# Altium PCB KlusterLab r2.0.PcbDoc (part 2 of 22) (continued)
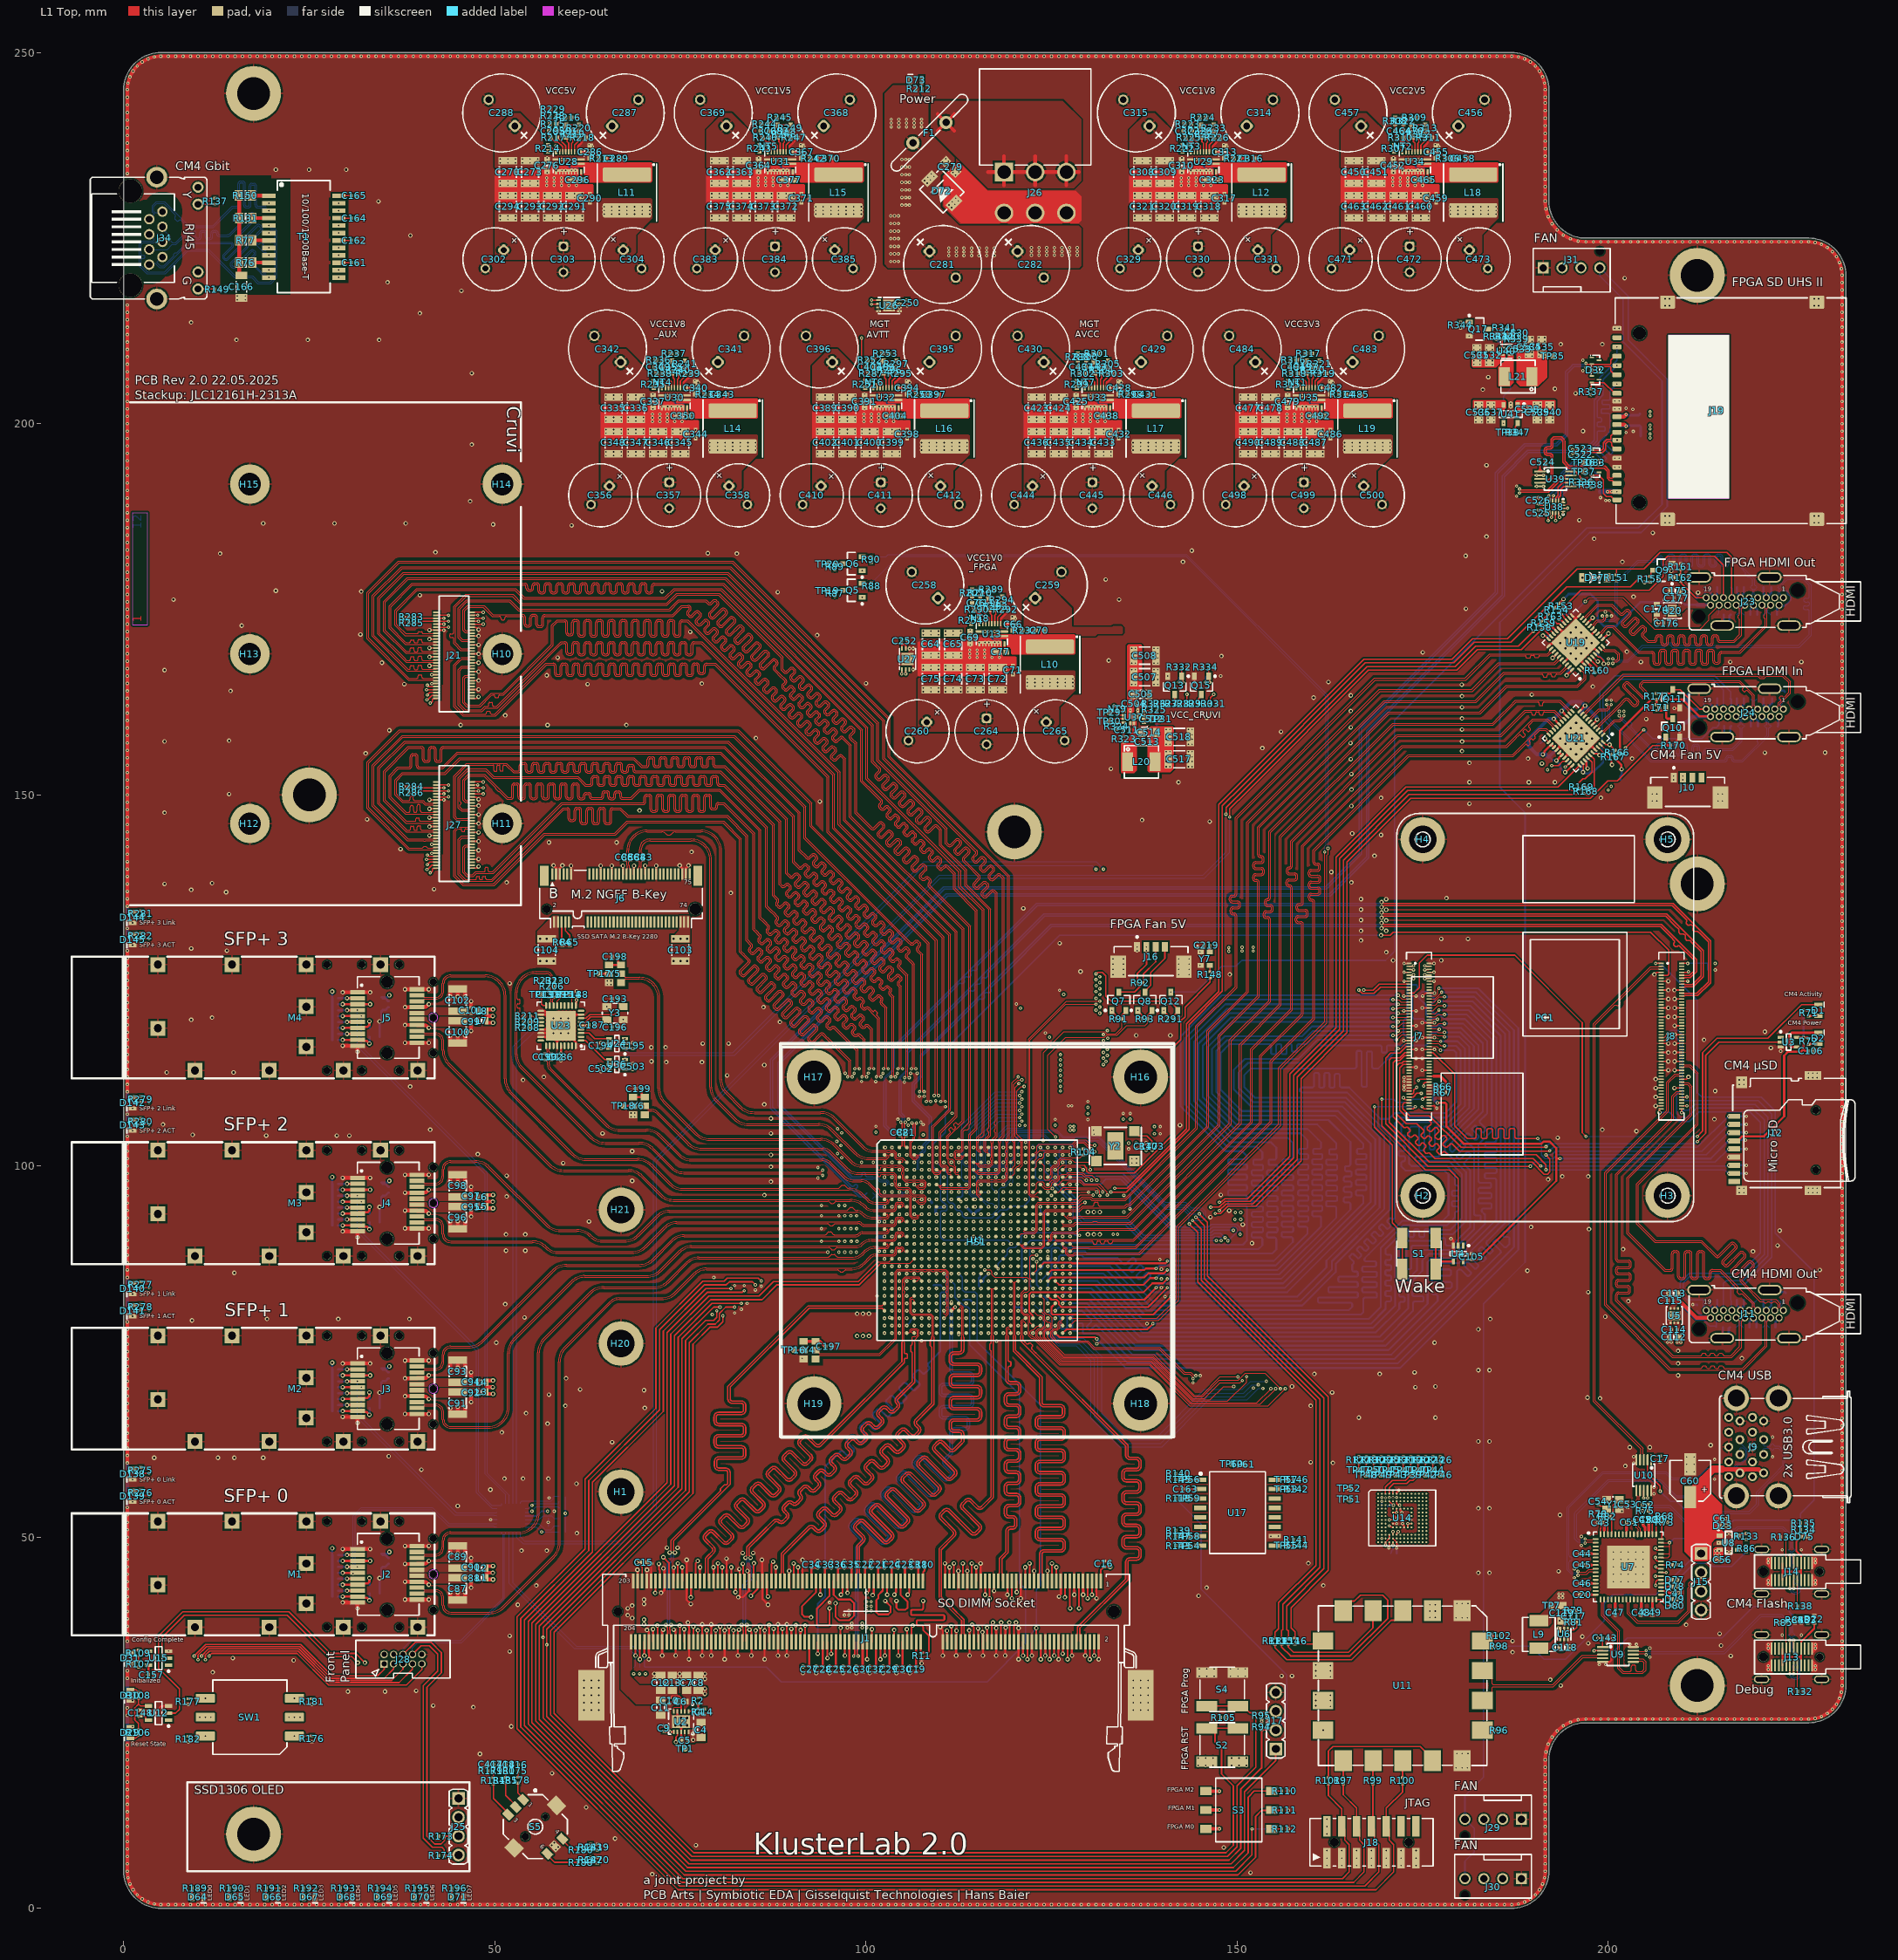
[diagram p0: L1 Top view]
## Components (designator, comment, footprint, x,y, rotation, side; value= is the part's Value field where it differs from the comment) (continued)
D30 "LTST-S270KGKT" "LED-0603 Sideview" 0.9,28.7 r90 top
D31 "LTST-S270TBKT" "LED-0603 Sideview" 0.9,33.7 r90 top
D32 "824014883" WE-TVS-DFN3810-9L 198.281,207.243 r0 top
D33 "CESDP0402UC5VB" TVS_0402 202.4,199.25 r270 bottom
D34 "CESDP0402UC5VB" TVS_0402 202.4,201.65 r90 bottom
D35 "CESDP0402UC5VB" TVS_0402 223.997,177.954 r90 bottom
D36 "CESDP0402UC5VB" TVS_0402 222.397,177.954 r0 bottom
D37 "BAT54GWJ" SOD123 198.197,179.254 r180 top
D38 "CESDP0402UC5VB" TVS_0402 222.297,174.254 r180 bottom
D39 "CESDP0402UC5VB" TVS_0402 220.497,174.254 r0 bottom
D40 "CESDP0402UC5VB" TVS_0402 220.472,177.954 r180 bottom
D41 "CESDP0402UC5VB" TVS_0402 218.697,177.954 r0 bottom
D42 "CESDP0402UC5VB" TVS_0402 218.697,174.254 r180 bottom
D43 "CESDP0402UC5VB" TVS_0402 216.897,174.254 r0 bottom
D44 "CESDP0402UC5VB" TVS_0402 216.897,177.954 r180 bottom
D45 "CESDP0402UC5VB" TVS_0402 215.097,177.954 r0 bottom
D46 "CESDP0402UC5VB" TVS_0402 215.122,174.254 r180 bottom
D47 "CESDP0402UC5VB" TVS_0402 213.297,177.954 r180 bottom
D48 "CESDP0402UC5VB" TVS_0402 211.897,176.054 r90 bottom
D49 "BAT54GWJ" SOD123 200.459,153.228 r315 bottom
D50 "BAT54GWJ" SOD123 199.187,151.956 r315 bottom
D51 "CESDP0402UC5VB" TVS_0402 211.897,161.054 r270 bottom
D52 "CESDP0402UC5VB" TVS_0402 223.797,163.454 r270 bottom
D53 "CESDP0402UC5VB" TVS_0402 222.497,162.954 r0 bottom
D54 "CESDP0402UC5VB" TVS_0402 222.397,159.254 r180 bottom
D55 "CESDP0402UC5VB" TVS_0402 220.597,159.254 r0 bottom
D56 "CESDP0402UC5VB" TVS_0402 220.472,162.954 r180 bottom
D57 "CESDP0402UC5VB" TVS_0402 218.697,162.954 r0 bottom
D58 "CESDP0402UC5VB" TVS_0402 218.797,159.254 r180 bottom
D59 "CESDP0402UC5VB" TVS_0402 216.997,159.254 r0 bottom
D60 "CESDP0402UC5VB" TVS_0402 216.897,162.954 r180 bottom
D61 "CESDP0402UC5VB" TVS_0402 215.097,162.954 r0 bottom
D62 "CESDP0402UC5VB" TVS_0402 215.197,159.254 r180 bottom
D63 "CESDP0402UC5VB" TVS_0402 213.297,162.954 r180 bottom
D64 "LTST-S270KRKT" "LED-0603 Sideview" 10,1.5 r180 top
D65 "LTST-S270KRKT" "LED-0603 Sideview" 15,1.5 r180 top
D66 "LTST-S270KRKT" "LED-0603 Sideview" 20,1.5 r180 top
D67 "LTST-S270KRKT" "LED-0603 Sideview" 25,1.5 r180 top
D68 "LTST-S270KRKT" "LED-0603 Sideview" 30,1.5 r180 top
D69 "LTST-S270KRKT" "LED-0603 Sideview" 35,1.5 r180 top
D70 "LTST-S270KRKT" "LED-0603 Sideview" 40,1.5 r180 top
D71 "LTST-S270KRKT" "LED-0603 Sideview" 45,1.5 r180 top
D72 "SMB15F18A" DO221-AA 110.217,231.38 r315 top
D73 "LTST-S270TBKT" "LED-0603 Sideview" 106.75,246.3 r0 top
D74 "CESDP0402UC5VB" TVS_0402 214.334,58.248 r90 bottom
D75 "CESDP0402UC5VB" TVS_0402 226.425,50.05 r0 top
D76 "CESDP0402UC5VB" TVS_0402 225.6,48.3 r0 bottom
D77 "RB160QS-40" SOD-882 208.975,44.25 r90 top
D78 "RB160QS-40" SOD-882 208.975,43.35 r90 top
D79 "RB160QS-40" SOD-882 208.975,41.65 r90 top
D80 "RB160QS-40" SOD-882 208.975,40.75 r90 top
D81 "CESDP0402UC5VB" TVS_0402 223.85,48.3 r180 bottom
D82 "CESDP0402UC5VB" TVS_0402 199.9,190.4 r270 bottom
D83 "824014883" WE-TVS-DFN3810-9L 198.281,194.75 r0 top
D138 "LTST-S270KGKT" "LED-0603 Sideview" 1.2,58.5 r90 top locked
D139 "LTST-S270KFKT" "LED-0603 Sideview" 1.2,55.5 r90 top locked
D140 "LTST-S270KGKT" "LED-0603 Sideview" 1.2,83.5 r90 top locked
D141 "LTST-S270KFKT" "LED-0603 Sideview" 1.2,80.5 r90 top locked
D142 "LTST-S270KGKT" "LED-0603 Sideview" 1.2,108.5 r90 top locked
D143 "LTST-S270KFKT" "LED-0603 Sideview" 1.2,105.5 r90 top locked
D144 "LTST-S270KGKT" "LED-0603 Sideview" 1.2,133.5 r90 top locked
D145 "LTST-S270KFKT" "LED-0603 Sideview" 1.2,130.5 r90 top locked
F1 "0ZRB0400FF1A" 0ZRB0400FF 108.55,239.2 r225 top locked
H1 "9774065151R" 9774065151R 67,56.1 r270 top locked
H2 "9774030151R" 9774030151R 175,96 r0 top locked
H3 "9774030151R" 9774030151R 208,96 r0 top locked
H4 "9774030151R" 9774030151R 175,144 r0 top locked
H5 "9774030151R" 9774030151R 208,144 r0 top locked
H6 "9774070360R" 9774070360R 25,150 r180 bottom locked
H7 "9774070360R" 9774070360R 212,220 r180 bottom locked
H8 "9774070360R" 9774070360R 17.5,244.5 r180 bottom locked
H9 "9774070360R" 9774070360R 212,30 r180 bottom locked
H10 "9774050243R" 9774050243R 51,169 r180 top locked
H11 "9774050243R" 9774050243R 51,146.14 r180 top locked
H12 "9774050243R" 9774050243R 17,146.14 r0 top locked
H13 "9774050243R" 9774050243R 17,169 r0 top locked
H14 "9774050243R" 9774050243R 51,191.86 r0 top
H15 "9774050243R" 9774050243R 17,191.86 r0 top
H16 "9774020360R" 9774020360R 137,112 r0 top
H17 "9774020360R" 9774020360R 93,112 r0 top
H18 "9774020360R" 9774020360R 137,68 r0 top
H19 "9774020360R" 9774020360R 93,68 r0 top
H20 "9774065151R" 9774065151R 67,76.1 r0 top locked
H21 "9774065151R" 9774065151R 67,94.1 r0 top locked
H22 "9774070360R" 9774070360R 212,138 r180 bottom locked
H23 "9774070360R" 9774070360R 120,145 r180 bottom locked
H24 "9774070360R" 9774070360R 17.5,10 r180 bottom locked
HS1 "Heatsink Assembly 52.65x52.65x24.5mm" ATS-61500W-C2-R0 114.9,89.75 r0 top locked
J1 "2-2013310-1" 2-2013310-1 100,40 r0 top locked
J2 "74441-0010" 74441-0010 35.5,45 r270 top
J3 "74441-0010" 74441-0010 35.5,70 r270 top
J4 "74441-0010" 74441-0010 35.5,95 r270 top
J5 "74441-0010" 74441-0010 35.5,120 r270 top
J6 "APCI0161" APCI0161-P001A 67,136.1 r0 top locked
J7 "Hirose Hirose DF40HC(3.0)-100DS-0.4V" "Hirose DF40HC(3.0)-100DS-0.4V_1-100" 174.5,117.5 r270 top locked
J8 "Hirose DF40HC(3.0)-100DS-0.4V PiMC4 Pin 101-200" "Hirose DF40HC(3.0)-100DS-0.4V_101-200" 208.5,117.5 r270 top locked
J9 "UEA1112C-8FS6-4F" UEA1112C-8FS6-4F 222.934,62.148 r90 top locked
J10 "53398-0476" "Molex 53398-0476" 210.7,150.4 r180 top locked
J11 "EB-500-6007" "Elecbee EB-500-6007" 218.397,80.054 r0 top locked
J12 "TF-115" TF-115 224.475,104.45 r90 top locked
J13 "USB4200-03-A" GCT_USB4200-03-A 224.7,33.858 r90 top locked
J14 "USB4200-03-A" GCT_USB4200-03-A 224.7,45.358 r90 top locked
J15 "4-Pin THT Pin header" 61300411121 212.5,43.99 r270 top
J16 "53398-0476" "Molex 53398-0476" 138.4,127.6 r180 top
J17 "4-Pin THT Pin header" 61300411121 155.2,25.28 r90 top
J18 "Box Pinheader, 14 Pin, THT, Straight" 87832-1420 168.1,8.9 r0 top
J19 "Amphenol / GSD2100107BHR / SD-Card UHS-II / Side Entry / Push-Push" Amphenol_GSD2100107BHR 218.039,201.74 r90 top locked value=GSD2100107BHR
J21 "SS4-30-3.50-L-D-K-TR" SS4-30-3.50-L-D-K-TR 44.5,169 r90 top locked
J23 "EB-500-6007" "Elecbee EB-500-6007" 218.397,176.054 r0 top locked
J24 "EB-500-6007" "Elecbee EB-500-6007" 218.397,161.054 r0 top locked
J25 "4-Pin THT Pin header" 61300411121 45.095,11 r270 top
J26 "87427-0602" "Molex 87427-0602" 122.8,236.95 r270 top
J27 "SS4-30-3.50-L-D-K-TR" SS4-30-3.50-L-D-K-TR 44.5,146.14 r90 top locked
J28 "Pinheader, 10 Pin, THT, Straight" 62701021621 37.63,33.565 r180 top locked
J29 "PINREX 744-81-04TG20" "PINREX 744-81-04TG20" 184.5,12 r0 top
J30 "PINREX 744-81-04TG20" "PINREX 744-81-04TG20" 184.5,4 r0 top
J31 "PINREX 744-81-04TG20" "PINREX 744-81-04TG20" 195.05,221 r180 top
J34 "R-RJ45R08P-C000" "Ckmtw - R-RJ45R08P-C000" 3.149,225 r270 top locked
L1 "BLM18SG121TN1D" L_0603 48.25,44.55 r90 top
L2 "BLM18SG121TN1D" L_0603 48.25,45.85 r90 top
L3 "BLM18SG121TN1D" L_0603 48.25,69.55 r90 top
L4 "BLM18SG121TN1D" L_0603 48.25,70.845 r90 top
L5 "BLM18SG121TN1D" L_0603 48.25,94.55 r90 top
L6 "BLM18SG121TN1D" L_0603 48.25,95.85 r90 top
L7 "BLM18SG121TN1D" L_0603 48.25,119.55 r90 top
L8 "BLM18SG121TN1D" L_0603 48.25,120.85 r90 top
L9 "FXL0420-1R0-M" FXL0420-1R0-M 190.65,36.9 r270 top
L10 "XAL7070-801MEC" COILCRAFT_XAL7070 124.8,167.55 r270 top
L11 "XAL7070-801MEC" COILCRAFT_XAL7070 67.8,231.15 r270 top
L12 "XAL7070-801MEC" COILCRAFT_XAL7070 153.3,231.15 r270 top
L13 "BLM18SG121TN1D" L_0603 191.497,154.654 r135 bottom
L14 "XAL7070-801MEC" COILCRAFT_XAL7070 82.05,199.35 r270 top
L15 "XAL7070-801MEC" COILCRAFT_XAL7070 96.3,231.15 r270 top
L16 "XAL7070-801MEC" COILCRAFT_XAL7070 110.55,199.35 r270 top
L17 "XAL7070-801MEC" COILCRAFT_XAL7070 139.05,199.35 r270 top
L18 "XAL7070-801MEC" COILCRAFT_XAL7070 181.8,231.15 r270 top
L19 "XAL7070-801MEC" COILCRAFT_XAL7070 167.55,199.35 r270 top
L20 "FXL0420-1R0-M" FXL0420-1R0-M 137.1,154.45 r0 top
L21 "FXL0420-1R0-M" FXL0420-1R0-M 187.85,206.35 r180 top
M1 "2007198-1" 2007198-1 35.5,45 r270 top locked
M2 "2007198-1" 2007198-1 35.5,70 r270 top locked
M3 "2007198-1" 2007198-1 35.5,95 r270 top locked
M4 "2007198-1" 2007198-1 35.5,120 r270 top locked
NT1 "Net Tie" "Net Tie-0.3" 158.139,205.566 r135 top net-tie
NT2 "Net Tie" "Net Tie-0.3" 172.389,237.366 r135 top net-tie
NT3 "Net Tie" "Net Tie-0.3" 143.889,237.366 r135 top net-tie
NT4 "Net Tie" "Net Tie-0.3" 72.639,205.566 r135 top net-tie
NT5 "Net Tie" "Net Tie-0.3" 86.889,237.372 r135 top net-tie
NT6 "Net Tie" "Net Tie-0.3" 101.138,205.566 r135 top net-tie
NT7 "Net Tie" "Net Tie-0.3" 129.638,205.566 r135 top net-tie
NT8 "Net Tie" "Net Tie-0.3" 115.39,173.768 r135 top net-tie
NT9 "Net Tie" "Net Tie-0.3" 133.9,161.55 r135 top net-tie
PC1 "RPiCM4" RASPBERRYPI_CM4 191.5,120 r90 top locked
Q1 "RUC002N05T116" SOT95P251X112-3N 33.5,46.8 r180 bottom
Q2 "RUC002N05T116" SOT95P251X112-3N 33.5,71.8 r180 bottom
Q3 "RUC002N05T116" SOT95P251X112-3N 33.5,96.8 r180 bottom
Q4 "RUC002N05T116" SOT95P251X112-3N 33.5,121.8 r180 bottom
Q5 "RUC002N05T116" SOT95P251X112-3N 98.25,177.55 r180 top
Q6 "RUC002N05T116" SOT95P251X112-3N 98.25,181.15 r180 top
Q7 "RUC002N05T116" SOT95P251X112-3N 134.075,122.2 r90 top
Q8 "RUC002N05T116" SOT95P251X112-3N 137.575,122.2 r90 top
Q9 "2N7002NXAKR" SOT95P251X112-3N 207.357,180.254 r180 top
Q10 "2N7002NXAKR" SOT95P251X112-3N 208.697,159.019 r90 top
Q11 "2N7002NXAKR" SOT95P251X112-3N 208.697,162.954 r90 top
Q12 "RUC002N05T116" SOT95P251X112-3N 141.075,122.2 r90 top
Q13 "RUC002N05T116" SOT95P251X112-3N 141.6,164.75 r270 top
Q14 "RUC002N05T116" SOT95P251X112-3N 143.25,164.75 r270 bottom
Q15 "RUC002N05T116" SOT95P251X112-3N 145.2,164.75 r270 top
Q16 "RUC002N05T116" SOT95P251X112-3N 146.85,164.75 r270 bottom
Q17 "RUC002N05T116" SOT95P251X112-3N 182.5,212.75 r0 top
R1 "80.6R 1%" RES_0402_L 114,84.5 r180 bottom
R2 "1.07k 1%" RES_0402_L 77.4,27.95 r270 top
R3 "80.6R 1%" RES_0402_L 115,85.5 r0 bottom
R4 "1.07k 1%" RES_0402_L 77.4,26.45 r90 top
R5 "80.6R 1%" RES_0402_L 113.5,86 r90 bottom
R6 "80.6R 1%" RES_0402_L 111,86 r315 bottom
R7 "80.6R 1%" RES_0402_L 109,87 r315 bottom
R8 "80.6R 1%" RES_0402_L 105,86.5 r180 bottom
R9 "100R 1%" RES_0402_L 110.5,80 r90 bottom
R10 "4.7k 1%" RES_0402_L 107.9,46.3 r270 top
R11 "4.7k 1%" RES_0402_L 107.5,34 r90 top
R12 "4.7k 1%" RES_0402_L 69.5,32.1 r270 bottom
R13 "4.7k 1%" RES_0402_L 68.7,32.1 r270 bottom
R14 "4.7k 1%" RES_0402_L 70.3,32.1 r270 bottom
R15 "4.7k 1%" RES_0402_L 122.3,36.2 r270 bottom
R16 "100R 1%" RES_0402_L 107,91.5 r180 bottom
R17 "100R 1%" RES_0402_L 107,93.5 r180 bottom
R18 "100R 1%" RES_0402_L 107,97.5 r180 bottom
R19 "100R 1%" RES_0402_L 107,95.5 r180 bottom
R20 "4.7k 1%" RES_0402_L 28.5,47.6 r180 bottom
R21 "4.7k 1%" RES_0402_L 28.5,46.8 r180 bottom
R22 "4.7k 1%" RES_0402_L 28.5,46 r180 bottom
R23 "4.7k 1%" RES_0402_L 28.5,45.2 r180 bottom
R24 "4.7k 1%" RES_0402_L 28.5,44.4 r180 bottom
R25 "4.7k 1%" RES_0402_L 28.5,43.6 r180 bottom
R26 "0R Jumper" RES_0603_L 33.8,43.6 r0 bottom
R27 "0R Jumper" RES_0603_L 33.8,42.4 r0 bottom
R28 "4.7k 1%" RES_0402_L 35.7,46.8 r90 bottom
R29 "4.7k 1%" RES_0402_L 28.5,42 r180 bottom
R30 "4.7k 1%" RES_0402_L 28.5,42.8 r180 bottom
R31 "4.7k 1%" RES_0402_L 28.5,72.6 r180 bottom
R32 "4.7k 1%" RES_0402_L 28.5,71.8 r180 bottom
R33 "4.7k 1%" RES_0402_L 28.5,71 r180 bottom
R34 "4.7k 1%" RES_0402_L 28.5,70.2 r180 bottom
R35 "4.7k 1%" RES_0402_L 28.5,69.4 r180 bottom
R36 "4.7k 1%" RES_0402_L 28.5,68.6 r180 bottom
R37 "0R Jumper" RES_0603_L 33.8,68.6 r0 bottom
R38 "0R Jumper" RES_0603_L 33.8,67.4 r0 bottom
R39 "4.7k 1%" RES_0402_L 35.7,71.8 r90 bottom
R40 "4.7k 1%" RES_0402_L 28.5,67 r180 bottom
R41 "4.7k 1%" RES_0402_L 28.5,67.8 r180 bottom
R42 "4.7k 1%" RES_0402_L 28.5,97.6 r180 bottom
R43 "4.7k 1%" RES_0402_L 28.5,96.8 r180 bottom
R44 "4.7k 1%" RES_0402_L 28.5,96 r180 bottom
R45 "4.7k 1%" RES_0402_L 28.5,95.2 r180 bottom
R46 "4.7k 1%" RES_0402_L 28.5,94.4 r180 bottom
R47 "4.7k 1%" RES_0402_L 28.5,93.6 r180 bottom
R48 "0R Jumper" RES_0603_L 33.8,93.6 r0 bottom
R49 "0R Jumper" RES_0603_L 33.8,92.4 r0 bottom
R50 "4.7k 1%" RES_0402_L 35.7,96.8 r90 bottom
R51 "4.7k 1%" RES_0402_L 28.5,92 r180 bottom
R52 "4.7k 1%" RES_0402_L 28.5,92.8 r180 bottom
R53 "4.7k 1%" RES_0402_L 28.5,122.6 r180 bottom
R54 "4.7k 1%" RES_0402_L 28.5,121.8 r180 bottom
R55 "4.7k 1%" RES_0402_L 28.5,121 r180 bottom
R56 "4.7k 1%" RES_0402_L 28.5,120.2 r180 bottom
R57 "4.7k 1%" RES_0402_L 28.5,119.4 r180 bottom
R58 "4.7k 1%" RES_0402_L 28.5,118.6 r180 bottom
R59 "0R Jumper" RES_0603_L 33.8,118.6 r0 bottom
R60 "0R Jumper" RES_0603_L 33.8,117.4 r0 bottom
R61 "4.7k 1%" RES_0402_L 35.7,121.8 r90 bottom
R62 "4.7k 1%" RES_0402_L 28.5,117 r180 bottom
R63 "4.7k 1%" RES_0402_L 28.5,117.8 r180 bottom
R64 "47k 1%" RES_0402_L 59.1,130.125 r90 top
R65 "47k 1%" RES_0402_L 60.1,130.125 r90 top
R66 "0R Jumper" RES_0402_L 177.7,110.7 r0 top
R67 "0R Jumper" RES_0402_L 177.7,109.9 r0 top
R68 "10k 1%" RES_0402_L 207.6,52.8 r180 top
R69 "0R Jumper" RES_0402_L 213.8,127.3 r0 bottom
R70 "0R Jumper" RES_0402_L 213.8,126.4 r0 bottom
R71 "1k 1%" RES_0402_L 227,120.6 r90 top
R72 "1k 1%" RES_0402_L 227,116.8 r90 top
R73 "90.9k 1%" RES_0402_L 207.6,52 r0 top
R74 "10k 1%" RES_0402_L 209.045,46.25 r180 top
R75 "10k 1%" RES_0402_L 205,53.55 r180 top
R76 "75R 1%" RES_0805 16.45,221.7 r180 top
R77 "75R 1%" RES_0805 16.45,224.7 r180 top
R78 "9.53k 1%" RES_0402_L 198.65,53.1 r270 top
R79 "15k 1%" RES_0402_L 195.35,40.15 r180 top
R80 "10k 1%" RES_0402_L 206.45,52.35 r270 top
R81 "18k 1%" RES_0402_L 195.35,38.55 r0 top
R82 "1M 1%" RES_0402_L 199.85,52.75 r180 top
R83 "5.62k 1%" RES_0402_L 226.86,38.818 r90 top
R84 "10k 1%" RES_0402_L 225.16,38.818 r90 top
R85 "5.1k 1%" RES_0402_L 223.6,38.5 r0 top
R86 "4.7k 1%" RES_0402_L 218.6,48.45 r270 top
R87 "1.6k 1%" RES_0402_L 95.8,177.15 r270 top
R88 "1.6k 1%" RES_0402_L 100.75,178.15 r270 top
R89 "1.6k 1%" RES_0402_L 95.8,180.745 r270 top
R90 "1.6k 1%" RES_0402_L 100.7,181.7 r270 top
R91 "10k 1%" RES_0402_L 134.075,119.8 r180 top
R92 "10k 1%" RES_0402_L 136.95,124.65 r180 top
R93 "10k 1%" RES_0402_L 137.575,119.8 r180 top
R94 "4.7k 1%" RES_0402_L 153.3,24.45 r270 top
R95 "4.7k 1%" RES_0402_L 153.3,25.95 r90 top
R96 "0R Jumper" RES_0402_L 185.3,24 r180 top
R97 "22R 1%" RES_0402_L 164.3,17.2 r90 top
R98 "4.7k 1%" RES_0402_L 185.3,35.3 r0 top
R99 "22R 1%" RES_0402_L 168.3,17.205 r90 top
R100 "22R 1%" RES_0402_L 172.3,17.2 r90 top
R101 "22R 1%" RES_0402_L 162.3,17.2 r90 top
R102 "10k 1%" RES_0402_L 185.3,36.7 r180 top
R103 "0R Jumper" RES_0402_L 138.55,102.645 r90 top
R104 "0R Jumper" RES_0402_L 129.3,101.9 r270 top
R105 "4.7k 1%" RES_0402_L 148.15,25.7 r180 top
R106 "270R 1%" RES_0402_L 2,23.7 r270 top
R107 "360R 1%" RES_0402_L 2,32.9 r270 top
R108 "270R 1%" RES_0402_L 2,28.7 r90 top
R109 "100R 1%" RES_0402_L 2,34.4 r270 top
R110 "1k 1%" RES_0402_L 156.4,15.8 r180 top
R111 "1k 1%" RES_0402_L 156.4,13.2 r180 top
R112 "1k 1%" RES_0402_L 156.4,10.7 r180 top
R113 "1k 1%" RES_0402_L 155.1,36 r90 top
R114 "1k 1%" RES_0402_L 156.9,36 r90 top
R115 "1k 1%" RES_0402_L 156,36 r90 top
R116 "1k 1%" RES_0402_L 157.8,36 r90 top
R117 "49.9R 1%" RES_0402_L 128.003,101.918 r45 bottom
R118 "0R Jumper" RES_0402_L 142.102,55.203 r180 top
R119 "0R Jumper" RES_0402_L 173.395,60.429 r270 top
R120 "0R Jumper" RES_0402_L 174.395,60.429 r270 top
R121 "0R Jumper" RES_0402_L 172.395,60.429 r270 top
R122 "0R Jumper" RES_0402_L 175.395,60.429 r270 top
R123 "0R Jumper" RES_0402_L 171.395,60.429 r270 top
R124 "0R Jumper" RES_0402_L 176.395,60.429 r270 top
R125 "0R Jumper" RES_0402_L 170.395,60.429 r270 top
R126 "0R Jumper" RES_0402_L 177.395,60.429 r270 top
R127 "0R Jumper" RES_0402_L 166.395,60.429 r270 top
R128 "0R Jumper" RES_0402_L 167.395,60.429 r270 top
R129 "0R Jumper" RES_0402_L 169.395,60.429 r270 top
R130 "0R Jumper" RES_0402_L 168.395,60.429 r270 top
R131 "75R 1%" RES_0805 16.45,227.7 r180 top
R132 "5.1k 1%" RES_0402_L 225.9,29.2 r180 top
R133 "4.7k 1%" RES_0402_L 218.6,50.1 r90 top
R134 "2.2k 1%" RES_0402_L 226.3,51 r180 top
R135 "2.2k 1%" RES_0402_L 226.3,51.9 r180 top
R136 "5.1k 1%" RES_0402_L 223.6,50 r0 top
R137 "110R 1%" RES_0402_L 12.325,229.975 r270 top
R138 "5.1k 1%" RES_0402_L 225.9,40.7 r180 top
R139 "4.7k 1%" RES_0402_L 142.1,50.9 r180 top
R140 "4.7k 1%" RES_0402_L 142.1,58.55 r180 top
R141 "4.7k 1%" RES_0402_L 157.997,49.658 r0 top
R142 "0R Jumper" RES_0402_L 157.997,56.477 r180 top
R143 "0R Jumper" RES_0402_L 142.102,48.853 r0 top
R144 "0R Jumper" RES_0402_L 157.997,48.858 r180 top
R145 "0R Jumper" RES_0402_L 142.102,57.742 r0 top
R146 "0R Jumper" RES_0402_L 158,57.75 r180 top
R147 "0R Jumper" RES_0402_L 142.102,50.123 r0 top
R148 "0R Jumper" RES_0402_L 146.375,125.775 r270 top
R149 "110R 1%" RES_0402_L 12.6,218.1 r180 top
R150 "75R 1%" RES_0805 16.4,230.75 r180 top
R151 "30.1k 1%" RES_0402_L 201.097,179.254 r90 top
R152 "4.64k 1%" RES_0402_L 192.435,171.008 r135 bottom
R153 "1.6k 1%" RES_0402_L 193.637,175.462 r135 top
R154 "1.6k 1%" RES_0402_L 193.071,174.897 r135 top
R155 "10k 1%" RES_0402_L 205.657,179.054 r270 top
R156 "10k 1%" RES_0402_L 198.162,169.381 r315 bottom
R157 "10k 1%" RES_0402_L 197.597,168.815 r315 bottom
R158 "1.6k 1%" RES_0402_L 190.738,172.563 r315 top
R159 "1.6k 1%" RES_0402_L 191.303,173.129 r315 top
R160 "10k 1%" RES_0402_L 198.497,166.754 r45 top
R161 "100k 1%" RES_0402_L 209.757,180.754 r270 top
R162 "100k 1%" RES_0402_L 209.757,179.254 r270 top
R163 "10k 1%" RES_0402_L 192.223,174.048 r315 top
R164 "47k 1%" RES_0402_L 192.1,153.65 r45 bottom
R165 "47k 1%" RES_0402_L 195.015,154.713 r225 bottom
R166 "47k 1%" RES_0402_L 201.237,155.703 r315 top
R167 "47k 1%" RES_0402_L 200.672,155.138 r315 top
R168 "1.6k 1%" RES_0402_L 196.997,150.454 r45 top
R169 "1.6k 1%" RES_0402_L 196.397,151.054 r45 top
R170 "47k 1%" RES_0402_L 208.797,156.654 r180 top
R171 "47k 1%" RES_0402_L 206.497,161.754 r90 top
R172 "1.6k 1%" RES_0402_L 206.497,163.254 r270 top
R173 "1.6k 1%" RES_0402_L 42.795,9.7 r180 top
R174 "1.6k 1%" RES_0402_L 42.795,7.1 r180 top
R175 "10k 1%" RES_0402_L 52.75,18.5 r180 top
R176 "4.7k 1%" RES_0402_L 25.35,22.85 r90 top
R177 "4.7k 1%" RES_0402_L 8.7,27.85 r90 top
R178 "1k 1%" RES_0402_L 53.1,17.25 r270 top
R179 "10k 1%" RES_0402_L 49.45,18.5 r180 top
R180 "10k 1%" RES_0402_L 51.1,18.495 r180 top
R181 "4.7k 1%" RES_0402_L 25.35,27.85 r90 top
R182 "4.7k 1%" RES_0402_L 8.7,22.8 r90 top
R183 "10k 1%" RES_0402_L 62.9,8.25 r90 top
R184 "1k 1%" RES_0402_L 49.8,17.2 r270 top
R185 "1k 1%" RES_0402_L 51.45,17.245 r270 top
R186 "1k 1%" RES_0402_L 61.65,7.9 r180 top
R187 "10k 1%" RES_0402_L 62.9,6.5 r90 top
R188 "1k 1%" RES_0402_L 61.65,6.15 r180 top
R189 "200R 1%" RES_0402_L 9.6,2.7 r0 top
R190 "200R 1%" RES_0402_L 14.6,2.7 r0 top
R191 "200R 1%" RES_0402_L 19.6,2.7 r0 top
R192 "200R 1%" RES_0402_L 24.6,2.7 r0 top
R193 "200R 1%" RES_0402_L 29.605,2.7 r0 top
R194 "200R 1%" RES_0402_L 34.6,2.7 r0 top
R195 "200R 1%" RES_0402_L 39.6,2.7 r0 top
R196 "200R 1%" RES_0402_L 44.605,2.7 r0 top
R197 "1.6k 1%" RES_0402_L 59.1,53.9 r0 bottom
R198 "1.6k 1%" RES_0402_L 59.1,54.7 r0 bottom
R199 "1.6k 1%" RES_0402_L 59.1,50.7 r0 bottom
R200 "0R Jumper" RES_0402_L 59.1,52.5 r0 bottom
R201 "0R Jumper" RES_0402_L 59.1,51.5 r0 bottom
R202 "0R Jumper" RES_0402_L 59.1,55.5 r0 bottom
R203 "0R Jumper" RES_0402_L 57.6,52.5 r0 bottom
R204 "0R Jumper" RES_0402_L 57.6,51.5 r0 bottom
R205 "0R Jumper" RES_0402_L 57.6,55.5 r0 bottom
R206 "100R 1%" RES_0402_L 57.7,124.2 r180 top
R207 "1k 1%" RES_0402 114.3,177.2 r90 top
R208 "1.6k 1%" RES_0402_L 54.4,118.6 r180 top
R209 "1.6k 1%" RES_0402_L 54.4,119.4 r180 top
R210 "110R 1%" RES_0402 115.4,177.2 r270 top
R211 "4.7k 1%" RES_0402_L 54.405,120.2 r0 top
R212 "4.7k 1%" RES_0402_L 107.155,245.1 r180 top
R213 "0R Jumper" RES_0402 64.45,235.75 r0 top
R214 "30.1k 1%" RES_0402 57.15,237.1 r90 top
R215 "45.3k 1%" RES_0402 57.85,240.35 r0 top
R216 "10R 1%" RES_0402 59.9,241.25 r0 top
R217 "10k 1%" RES_0402 57.95,238.55 r180 top
R218 "6.04k 1%" RES_0402 61.8,238.55 r180 top
R219 "0R Jumper" RES_0402 60.5,239 r270 top
R220 "0R Jumper" RES_0402 61.35,239.85 r270 top
R221 "0R Jumper" RES_0402 149.95,235.75 r0 top
R222 "30.1k 1%" RES_0402 142.65,237.1 r90 top
R223 "10k 1%" RES_0402 143.35,240.35 r0 top
R224 "10R 1%" RES_0402 145.4,241.25 r0 top
R225 "10k 1%" RES_0402 143.5,238.55 r180 top
R226 "6.04k 1%" RES_0402 147.3,238.55 r180 top
R227 "0R Jumper" RES_0402 146,239 r270 top
R228 "10k 1%" RES_0402_L 57.85,241.45 r180 top
R229 "4.7k 1%" RES_0402_L 57.85,242.35 r0 top
R230 "49.9R 1%" RES_0402_L 58.5,124.95 r180 top
R231 "49.9R 1%" RES_0402_L 56.9,124.95 r0 top
R232 "0R Jumper" RES_0402 121.45,172.15 r0 top
R233 "0R Jumper" RES_0402 146.85,239.85 r270 top
R234 "0R Jumper" RES_0402 78.7,203.95 r0 top
R235 "30.1k 1%" RES_0402 71.4,205.3 r90 top
R236 "10k 1%" RES_0402 72.1,208.55 r0 top
R237 "10R 1%" RES_0402 74.15,209.45 r0 top
R238 "10k 1%" RES_0402 72.25,206.75 r180 top
R239 "6.04k 1%" RES_0402 76.05,206.75 r180 top
R240 "0R Jumper" RES_0402 74.75,207.2 r270 top
R241 "0R Jumper" RES_0402 75.6,208.05 r270 top
R242 "0R Jumper" RES_0402 92.95,235.75 r0 top
R243 "30.1k 1%" RES_0402 85.65,237.1 r90 top
R244 "6.65k 1%" RES_0402 86.35,240.35 r0 top
R245 "10R 1%" RES_0402 88.4,241.25 r0 top
R246 "10k 1%" RES_0402 86.5,238.55 r180 top
R247 "6.04k 1%" RES_0402 90.3,238.55 r180 top
R248 "0R Jumper" RES_0402 89,239 r270 top
R249 "0R Jumper" RES_0402 89.85,239.85 r270 top
R250 "0R Jumper" RES_0402 107.2,203.95 r0 top
R251 "30.1k 1%" RES_0402 99.9,205.3 r90 top
R252 "3.32k 1%" RES_0402 100.6,208.55 r0 top
R253 "10R 1%" RES_0402 102.65,209.45 r0 top
R254 "30.1k 1%" RES_0402 114.15,173.5 r90 top
R274 "47k 1%" RES_0402_L 126.974,102.021 r225 bottom
R275 "110R 1%" RES_0402_L 2.3,59 r90 top locked
R276 "200R 1%" RES_0402_L 2.3,56 r90 top locked
R277 "110R 1%" RES_0402_L 2.3,84 r90 top locked
R278 "200R 1%" RES_0402_L 2.3,81 r90 top locked
R279 "110R 1%" RES_0402_L 2.3,109 r90 top locked
R280 "200R 1%" RES_0402_L 2.3,106 r90 top locked
R281 "110R 1%" RES_0402_L 2.3,134 r90 top locked
R282 "200R 1%" RES_0402_L 2.3,131 r90 top locked
R283 "1.6k 1%" RES_0402_L 38.8,173.96 r180 top
R284 "1.6k 1%" RES_0402_L 38.8,151.1 r180 top
R285 "1.6k 1%" RES_0402_L 38.8,173.16 r180 top
R286 "1.6k 1%" RES_0402_L 38.8,150.3 r180 top
R287 "10k 1%" RES_0402 100.75,206.75 r180 top
R288 "1k 1%" RES_0402 128.55,209 r90 top
R289 "10R 1%" RES_0402 116.9,177.65 r0 top
R290 "10k 1%" RES_0402 115,174.95 r180 top
R291 "10k 1%" RES_0402_L 141.075,119.8 r180 top
R292 "6.04k 1%" RES_0402 118.8,174.95 r180 top
R293 "0R Jumper" RES_0402 117.5,175.4 r270 top
R294 "0R Jumper" RES_0402 118.35,176.25 r270 top
R295 "6.04k 1%" RES_0402 104.55,206.75 r180 top
R296 "0R Jumper" RES_0402 103.25,207.2 r270 top
R297 "0R Jumper" RES_0402 104.1,208.05 r270 top
R298 "0R Jumper" RES_0402 135.7,203.95 r0 top
R299 "30.1k 1%" RES_0402 128.4,205.3 r90 top
R300 "110R 1%" RES_0402 129.65,209 r270 top
R301 "10R 1%" RES_0402 131.15,209.45 r0 top
R302 "10k 1%" RES_0402 129.25,206.75 r180 top
R303 "6.04k 1%" RES_0402 133.05,206.75 r180 top
R304 "0R Jumper" RES_0402 131.75,207.2 r270 top
R305 "0R Jumper" RES_0402 132.6,208.05 r270 top
R306 "0R Jumper" RES_0402 178.45,235.75 r0 top
R307 "30.1k 1%" RES_0402 171.15,237.1 r90 top
R308 "12k 1%" RES_0402 171.3,240.8 r90 top
R309 "10R 1%" RES_0402 173.9,241.25 r0 top
R310 "10k 1%" RES_0402 172,238.55 r180 top
R311 "6.04k 1%" RES_0402 175.8,238.55 r180 top
R312 "0R Jumper" RES_0402 174.5,239 r270 top
R313 "0R Jumper" RES_0402 175.35,239.85 r270 top
R314 "0R Jumper" RES_0402 164.2,203.95 r0 top
R315 "30.1k 1%" RES_0402 156.9,205.3 r90 top
R316 "26.7k 1%" RES_0402 157.6,208.55 r0 top
R317 "10R 1%" RES_0402 159.65,209.45 r0 top
R318 "10k 1%" RES_0402 157.75,206.75 r180 top
R319 "6.04k 1%" RES_0402 161.55,206.75 r180 top
R320 "0R Jumper" RES_0402 160.2,207.2 r270 top
R321 "0R Jumper" RES_0402 161.1,208.05 r270 top
R322 "5.76k 1%" RES_0402 172.4,240.8 r270 top
R323 "0R Jumper" RES_0402_L 134.75,157.5 r90 top
R324 "10k 1%" RES_0402_L 133.8,159.25 r90 top
R325 "3.3k 1%" RES_0402_L 138.8,161.45 r0 top
R326 "18R 1%" RES_0402_L 138.8,162.25 r180 top
R327 "715R 1%" RES_0402_L 140.4,162.25 r180 top
R328 "301R 1%" RES_0402_L 142,162.25 r180 top
R329 "619R 1%" RES_0402_L 143.6,162.25 r180 top
R330 "562R 1%" RES_0402_L 145.2,162.25 r180 top
R331 "1.1k 1%" RES_0402_L 146.8,162.25 r180 top
R332 "10k 1%" RES_0402_L 142.15,167.2 r180 top
R333 "10k 1%" RES_0402_L 142.945,167.2 r0 bottom
R334 "10k 1%" RES_0402_L 145.75,167.2 r180 top
R335 "10k 1%" RES_0402_L 146.55,167.2 r0 bottom
R336 "10k 1%" RES_0402_L 196.4,192.1 r270 top
R337 "10k 1%" RES_0402_L 197.7,204.3 r90 top
R338 "10k 1%" RES_0402_L 197.7,191.8 r90 top
R339 "20k 1%" RES_0402_L 187.65,211.4 r0 top
R340 "7.87k 1%" RES_0402_L 186.5,211.75 r270 top
R341 "100R 1%" RES_0402_L 186.05,212.9 r0 top
R342 "10k 1%" RES_0402_L 185.7,211.75 r270 top
R343 "10k 1%" RES_0402_L 184.9,211.75 r90 top
R344 "10k 1%" RES_0402_L 180.1,213.3 r270 top
R345 "OPT" RES_0603_L 204.95,199.55 r180 bottom
R346 "0R Jumper" RES_0603_L 204.95,198.35 r180 bottom
R347 "10k 1%" RES_0402_L 187.85,198.85 r180 top
R348 "0R Jumper" RES_0603_L 204.95,201.35 r180 bottom
S1 "LL3301BF065QJ" LL3301BF065QJ 174.5,88.2 r270 top
S2 "LL3301BF065QJ" LL3301BF065QJ 148,22 r180 top
S3 "DS04-254-1-03BK-SMT" "CUI DS04-254-SMT Series, 3 Pole" 150.225,13.25 r90 top
S4 "LL3301BF065QJ" LL3301BF065QJ 148,29.5 r0 top
S5 "AlpsAlpine SKRHACE010" AlpsAlpine_SKRHACE010 55.45,11 r315 top locked
SW1 "428521420910" "WÜRTH 428521420910" 17,25.75 r90 top locked
T1 "QT24A01" QT24A01 24.26,225.2 r270 top
TP1 "Testpoint" "Testpoint 0.8mm" 75.6,21.5 r0 top
TP2 "Testpoint" "Testpoint 0.8mm" 174.414,111.628 r90 bottom
TP3 "Testpoint" "Testpoint 0.8mm" 175.201,110.795 r90 bottom
TP4 "Testpoint" "Testpoint 0.8mm" 174.2,110.6 r90 bottom
TP5 "Testpoint" "Testpoint 0.8mm" 174.8,109.8 r90 bottom
TP6 "Testpoint" "Testpoint 0.8mm" 172.4,109.2 r90 bottom
TP7 "Testpoint" "Testpoint 0.8mm" 192.35,40.75 r0 top
TP8 "Testpoint" "Testpoint 0.8mm" 118.3,91.6 r90 bottom
TP9 "Testpoint" "Testpoint 0.8mm" 119.5,92.5 r90 bottom
TP10 "Testpoint" "Testpoint 0.8mm" 118.5,92.6 r90 bottom
TP11 "Testpoint" "Testpoint 0.8mm" 119.5,93.6 r90 bottom
TP12 "Testpoint" "Testpoint 0.8mm" 161.6,24 r180 bottom
TP13 "Testpoint" "Testpoint 0.8mm" 56.3,123.1 r270 top
TP14 "Testpoint" "Testpoint 0.8mm" 60.1,123.1 r270 top
TP15 "Testpoint" "Testpoint 0.8mm" 59.1,123.1 r270 top
TP16 "Testpoint" "Testpoint 0.8mm" 90.3,75.2 r0 top
TP17 "Testpoint" "Testpoint 0.8mm" 64.1,125.9 r0 top
TP18 "Testpoint" "Testpoint 0.8mm" 67.3,108.1 r0 top
TP19 "Testpoint" "Testpoint 0.8mm" 94.8,177.473 r180 top
TP20 "Testpoint" "Testpoint 0.8mm" 94.8,181.1 r180 top
TP21 "Testpoint" "Testpoint 0.8mm" 109.382,98.461 r90 bottom
TP22 "Testpoint" "Testpoint 0.8mm" 113.5,91.6 r90 bottom
TP23 "Testpoint" "Testpoint 0.8mm" 206.35,47.25 r180 bottom
TP24 "Testpoint" "Testpoint 0.8mm" 206.4,46 r180 bottom
TP25 "Testpoint" "Testpoint 0.8mm" 206.35,48.5 r180 bottom
TP26 "Testpoint" "Testpoint 0.8mm" 206.35,44.75 r180 bottom
TP27 "Testpoint" "Testpoint 0.8mm" 206.4,43.5 r180 bottom
TP28 "Testpoint" "Testpoint 0.8mm" 207.8,45.25 r180 bottom
TP29 "Testpoint" "Testpoint 0.8mm" 132.8,161.1 r0 top
TP30 "Testpoint" "Testpoint 0.8mm" 132.8,159.9 r0 top
TP31 "Testpoint" "Testpoint 0.8mm" 139.65,160.25 r0 top
TP32 "Testpoint" "Testpoint 0.8mm" 201.2,199.65 r90 bottom
TP33 "Testpoint" "Testpoint 0.8mm" 201.2,201.15 r90 bottom
TP34 "Testpoint" "Testpoint 0.8mm" 201.174,190.84 r90 bottom
TP35 "Testpoint" "Testpoint 0.8mm" 192.55,209.1 r90 top
TP36 "Testpoint" "Testpoint 0.8mm" 196.7,194.75 r180 top
TP37 "Testpoint" "Testpoint 0.8mm" 196.7,193.55 r180 top
TP38 "Testpoint" "Testpoint 0.8mm" 186.5,198.85 r90 top
TP39 "Testpoint" "Testpoint 0.8mm" 173.4,58.4 r90 top
TP40 "Testpoint" "Testpoint 0.8mm" 174.4,59.05 r90 top
TP41 "Testpoint" "Testpoint 0.8mm" 172.4,59.05 r90 top
TP42 "Testpoint" "Testpoint 0.8mm" 175.4,58.4 r90 top
TP43 "Testpoint" "Testpoint 0.8mm" 171.4,58.4 r90 top
TP44 "Testpoint" "Testpoint 0.8mm" 176.4,59.05 r90 top
TP45 "Testpoint" "Testpoint 0.8mm" 170.4,59.05 r90 top
TP46 "Testpoint" "Testpoint 0.8mm" 177.4,58.4 r90 top